# Altium PCB MAIN_BOARD_V3.PcbDoc (part 1 of 4) (continued)
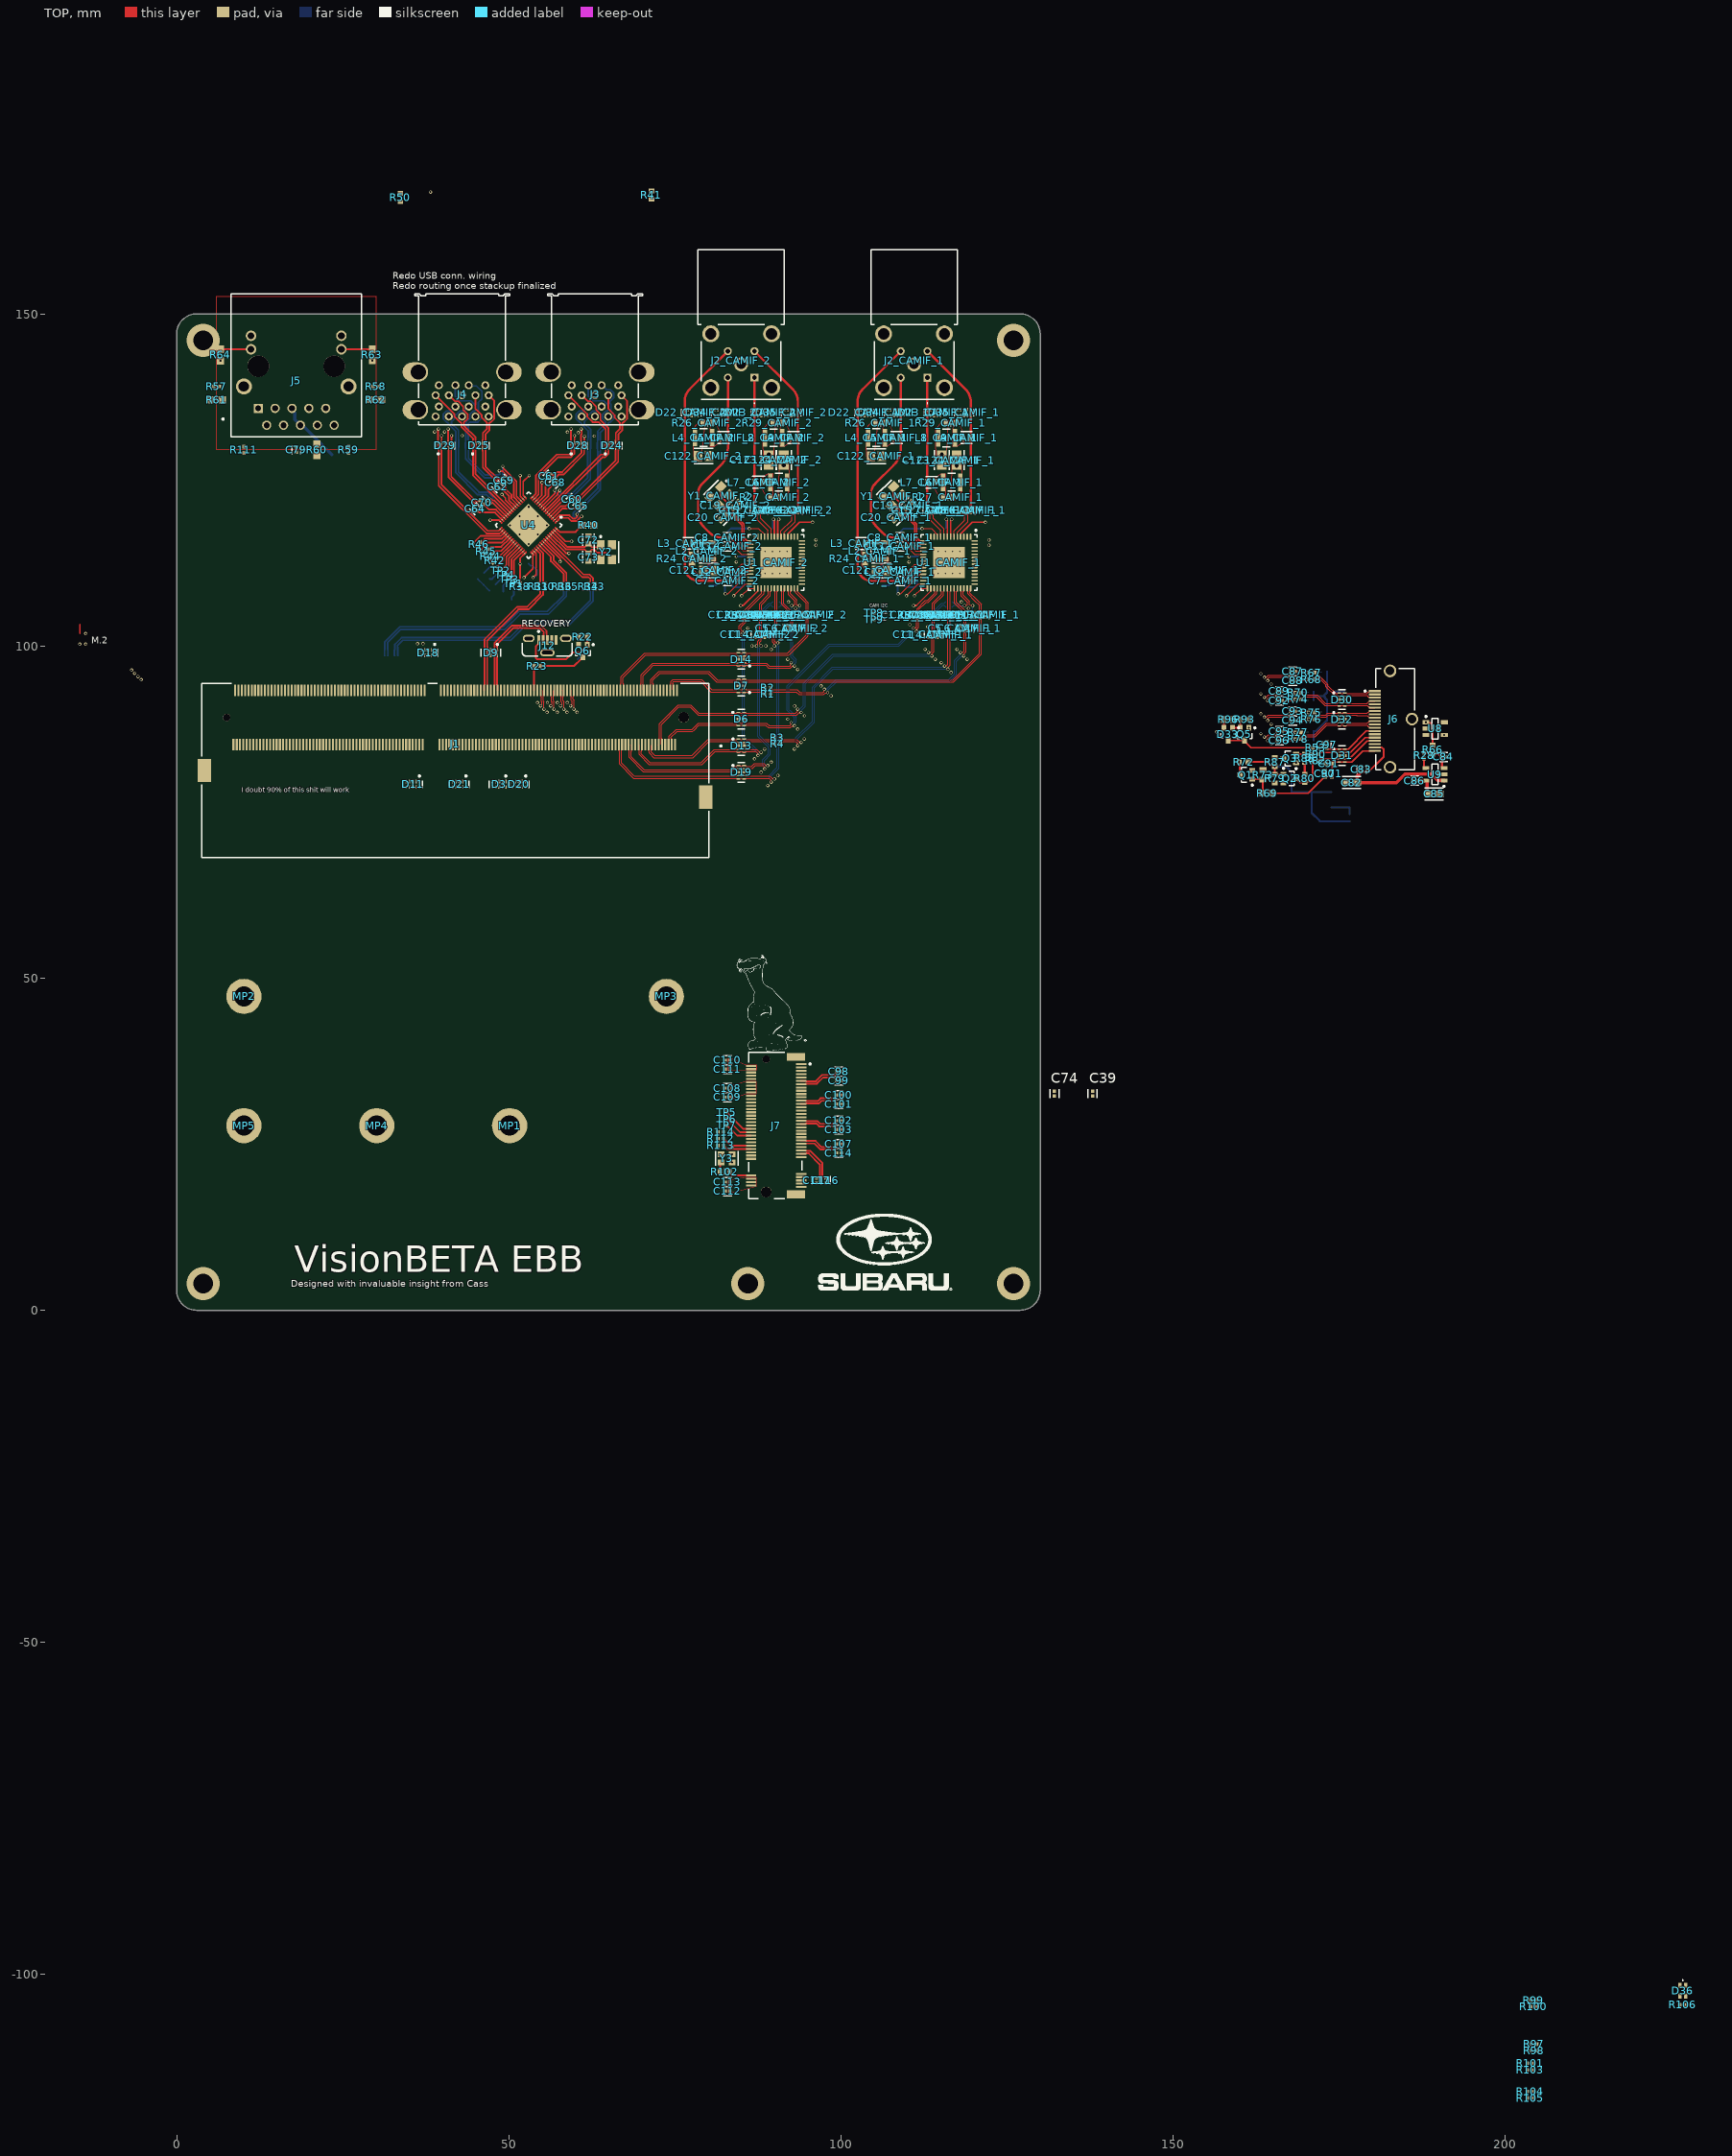
[diagram p0: TOP view]
## Components (designator, comment, footprint, x,y, rotation, side; value= is the part's Value field where it differs from the comment) (continued)
C17_CAMIF_2 "C1005X7R1H104K050BB" FP-C1005-050-0_05-IPC_C 88.326,120.447 r90 top (schematic designator C17)
C18_CAMIF_1 "C1005X7R1H104K050BB" FP-C1005-050-0_05-IPC_C 118.201,120.439 r90 top (schematic designator C18)
C18_CAMIF_2 "C1005X7R1H104K050BB" FP-C1005-050-0_05-IPC_C 92.177,120.447 r90 top (schematic designator C18)
C19_CAMIF_1 "C0603C300J5GACTU" FP-C0603C-CF-MFG 110.194,121.192 r45 top value="30 pF" (schematic designator C19)
C19_CAMIF_2 "C0603C300J5GACTU" FP-C0603C-CF-MFG 84.17,121.2 r45 top value="30 pF" (schematic designator C19)
C20_CAMIF_1 "C0603C300J5GACTU" FP-C0603C-CF-MFG 108.344,119.367 r225 top value="30 pF" (schematic designator C20)
C20_CAMIF_2 "C0603C300J5GACTU" FP-C0603C-CF-MFG 82.32,119.375 r225 top value="30 pF" (schematic designator C20)
C21_CAMIF_1 "CL05A106MP5NUNC" FP-CL05A106MP5NUNC-MFG 115.394,117.767 r180 bottom value=10uF (schematic designator C21)
C21_CAMIF_2 "CL05A106MP5NUNC" FP-CL05A106MP5NUNC-MFG 89.37,117.775 r180 bottom value=10uF (schematic designator C21)
C22_CAMIF_1 "C1005X7R1H104K050BB" FP-C1005-050-0_05-IPC_C 115.394,119.067 r0 bottom (schematic designator C22)
C22_CAMIF_2 "C1005X7R1H104K050BB" FP-C1005-050-0_05-IPC_C 89.37,119.075 r0 bottom (schematic designator C22)
C23_CAMIF_1 "CL05A106MP5NUNC" FP-CL05A106MP5NUNC-MFG 111.569,113.967 r90 bottom value=10uF (schematic designator C23)
C23_CAMIF_2 "CL05A106MP5NUNC" FP-CL05A106MP5NUNC-MFG 85.545,113.975 r90 bottom value=10uF (schematic designator C23)
C24_CAMIF_1 "C1005X7R1H104K050BB" FP-C1005-050-0_05-IPC_C 110.269,113.967 r270 bottom (schematic designator C24)
C24_CAMIF_2 "C1005X7R1H104K050BB" FP-C1005-050-0_05-IPC_C 84.245,113.975 r270 bottom (schematic designator C24)
C25_CAMIF_1 "CL05A106MP5NUNC" FP-CL05A106MP5NUNC-MFG 120.969,114.667 r270 bottom value=10uF (schematic designator C25)
C25_CAMIF_2 "CL05A106MP5NUNC" FP-CL05A106MP5NUNC-MFG 94.945,114.675 r270 bottom value=10uF (schematic designator C25)
C26_CAMIF_1 "C1005X7R1H104K050BB" FP-C1005-050-0_05-IPC_C 122.269,114.667 r90 bottom (schematic designator C26)
C26_CAMIF_2 "C1005X7R1H104K050BB" FP-C1005-050-0_05-IPC_C 96.245,114.675 r90 bottom (schematic designator C26)
C27_CAMIF_1 "CL05A106MP5NUNC" FP-CL05A106MP5NUNC-MFG 120.969,116.442 r90 bottom value=10uF (schematic designator C27)
C27_CAMIF_2 "CL05A106MP5NUNC" FP-CL05A106MP5NUNC-MFG 94.945,116.45 r90 bottom value=10uF (schematic designator C27)
C28_CAMIF_1 "C1005X7R1H104K050BB" FP-C1005-050-0_05-IPC_C 122.269,116.442 r270 bottom (schematic designator C28)
C28_CAMIF_2 "C1005X7R1H104K050BB" FP-C1005-050-0_05-IPC_C 96.245,116.45 r270 bottom (schematic designator C28)
C29_CAMIF_1 "CL05A106MP5NUNC" FP-CL05A106MP5NUNC-MFG 117.219,117.767 r0 bottom value=10uF (schematic designator C29)
C29_CAMIF_2 "CL05A106MP5NUNC" FP-CL05A106MP5NUNC-MFG 91.195,117.775 r0 bottom value=10uF (schematic designator C29)
C30_CAMIF_1 "C0402C103M5RACTU" FP-C0402-BB-MFG 117.219,119.067 r180 bottom value="10,000 pF" (schematic designator C30)
C30_CAMIF_2 "C0402C103M5RACTU" FP-C0402-BB-MFG 91.195,119.075 r180 bottom value="10,000 pF" (schematic designator C30)
C31_CAMIF_1 "CL05A106MP5NUNC" FP-CL05A106MP5NUNC-MFG 111.544,112.167 r270 bottom value=10uF (schematic designator C31)
C31_CAMIF_2 "CL05A106MP5NUNC" FP-CL05A106MP5NUNC-MFG 85.52,112.175 r270 bottom value=10uF (schematic designator C31)
C32_CAMIF_1 "C0402C103M5RACTU" FP-C0402-BB-MFG 110.269,112.167 r90 bottom value="10,000 pF" (schematic designator C32)
C32_CAMIF_2 "C0402C103M5RACTU" FP-C0402-BB-MFG 84.245,112.175 r90 bottom value="10,000 pF" (schematic designator C32)
C33_CAMIF_1 "CL05A106MP5NUNC" FP-CL05A106MP5NUNC-MFG 111.544,110.217 r90 bottom value=10uF (schematic designator C33)
C33_CAMIF_2 "CL05A106MP5NUNC" FP-CL05A106MP5NUNC-MFG 85.52,110.225 r90 bottom value=10uF (schematic designator C33)
C34_CAMIF_1 "C0402C103M5RACTU" FP-C0402-BB-MFG 110.269,110.217 r270 bottom value="10,000 pF" (schematic designator C34)
C34_CAMIF_2 "C0402C103M5RACTU" FP-C0402-BB-MFG 84.245,110.225 r270 bottom value="10,000 pF" (schematic designator C34)
C35_CAMIF_1 "CL05A106MP5NUNC" FP-CL05A106MP5NUNC-MFG 112.194,105.68 r270 bottom value=10uF (schematic designator C35)
C35_CAMIF_2 "CL05A106MP5NUNC" FP-CL05A106MP5NUNC-MFG 86.17,105.688 r270 bottom value=10uF (schematic designator C35)
C36_CAMIF_1 "C0402C103M5RACTU" FP-C0402-BB-MFG 110.944,105.667 r90 bottom value="10,000 pF" (schematic designator C36)
C36_CAMIF_2 "C0402C103M5RACTU" FP-C0402-BB-MFG 84.92,105.675 r90 bottom value="10,000 pF" (schematic designator C36)
C37 "GRM188R60J106ME47D" FP-GRM188-0_1-e0_2_0_55-IPC_A 165.283,81.074 r270 bottom
C38 "C1005X7R1H104K050BB" FP-C1005-050-0_05-IPC_C 176.575,76.092 r270 bottom
C39 "C1005X7R1H104K050BB" FP-C1005-050-0_05-IPC_C 137.891,32.624 r90 top
C40_CAMIF_1 "GRM188R60J106ME47D" FP-GRM188-0_1-e0_2_0_55-IPC_A 120.194,166.092 r0 bottom (schematic designator C40)
C40_CAMIF_2 "GRM188R60J106ME47D" FP-GRM188-0_1-e0_2_0_55-IPC_A 90.5,162.5 r0 bottom (schematic designator C40)
C41_CAMIF_1 "GRM188R60J106ME47D" FP-GRM188-0_1-e0_2_0_55-IPC_A 122.844,174.067 r180 bottom (schematic designator C41)
C41_CAMIF_2 "GRM188R60J106ME47D" FP-GRM188-0_1-e0_2_0_55-IPC_A 94.82,170.075 r180 bottom (schematic designator C41)
C42_CAMIF_1 "C1005X7R1H104K050BB" FP-C1005-050-0_05-IPC_C 120.169,175.067 r90 bottom (schematic designator C42)
C42_CAMIF_2 "C1005X7R1H104K050BB" FP-C1005-050-0_05-IPC_C 92.145,171.075 r90 bottom (schematic designator C42)
C43_CAMIF_1 "C1005X7R1H104K050BB" FP-C1005-050-0_05-IPC_C 114.994,182.567 r0 bottom (schematic designator C43)
C43_CAMIF_2 "C1005X7R1H104K050BB" FP-C1005-050-0_05-IPC_C 86.97,178.575 r0 bottom (schematic designator C43)
C44 "C1005X7R1H104K050BB" FP-C1005-050-0_05-IPC_C 57.966,121.518 r45 bottom
C45 "C1005X7R1H104K050BB" FP-C1005-050-0_05-IPC_C 54.758,124.343 r45 bottom
C46 "C1005X7R1H104K050BB" FP-C1005-050-0_05-IPC_C 53.075,125.299 r90 bottom
C47 "C1005X7R1H104K050BB" FP-C1005-050-0_05-IPC_C 49.234,122.543 r135 bottom
C48 "C1005X7R1H104K050BB" FP-C1005-050-0_05-IPC_C 47.459,118.693 r135 bottom
C49 "T520B337M2R5ATE045" KEMT-520-B-2_M 63.025,166.702 r180 bottom
C50 "C1005X7R1H104K050BB" FP-C1005-050-0_05-IPC_C 45.975,114.693 r225 bottom
C51 "C1005X7R1H104K050BB" FP-C1005-050-0_05-IPC_C 52.3,110.677 r270 bottom
C52 "C1005X7R1H104K050BB" FP-C1005-050-0_05-IPC_C 65.375,164.202 r180 bottom
C53 "C1005X7R1H104K050BB" FP-C1005-050-0_05-IPC_C 63.3,164.202 r0 bottom
C54 "C1005X7R1H104K050BB" FP-C1005-050-0_05-IPC_C 57.466,112.961 r315 bottom
C55 "C1005X7R1H104K050BB" FP-C1005-050-0_05-IPC_C 51.725,125.299 r90 bottom
C56 "C1005X7R1H104K050BB" FP-C1005-050-0_05-IPC_C 44.926,115.752 r225 bottom
C57 "C1005X7R1H104K050BB" FP-C1005-050-0_05-IPC_C 53.65,110.677 r270 bottom
C58 "C1005X7R1H104K050BB" FP-C1005-050-0_05-IPC_C 59.18,116.011 r315 bottom
C59 "GRM188R60J106ME47D" FP-GRM188-0_1-e0_2_0_55-IPC_A 71.975,164.677 r270 bottom
C60 "C1005X7R1H104K050BB" FP-C1005-050-0_05-IPC_C 59.559,122.074 r45 top
C61 "C1005X7R1H104K050BB" FP-C1005-050-0_05-IPC_C 56.047,125.586 r45 top
C62 "C1005X7R1H104K050BB" FP-C1005-050-0_05-IPC_C 48.319,123.996 r135 top
C63 "T520B337M2R5ATE045" KEMT-520-B-2_M 44.85,166.302 r180 bottom
C64 "C1005X7R1H104K050BB" FP-C1005-050-0_05-IPC_C 44.978,120.661 r135 top
C65 "C1005X7R1H104K050BB" FP-C1005-050-0_05-IPC_C 60.509,121.124 r45 top
C66 "C1005X7R1H104K050BB" FP-C1005-050-0_05-IPC_C 47.2,163.802 r180 bottom
C67 "C1005X7R1H104K050BB" FP-C1005-050-0_05-IPC_C 45.15,163.802 r0 bottom
C68 "C1005X7R1H104K050BB" FP-C1005-050-0_05-IPC_C 56.997,124.636 r45 top
C69 "C1005X7R1H104K050BB" FP-C1005-050-0_05-IPC_C 49.269,124.946 r135 top
C70 "C1005X7R1H104K050BB" FP-C1005-050-0_05-IPC_C 45.928,121.611 r135 top
C71 "GRM188R60J106ME47D" FP-GRM188-0_1-e0_2_0_55-IPC_A 35.05,169.502 r90 bottom
C72 "C0603C300J5GACTU" FP-C0603C-CF-MFG 62,116 r90 top value="30 pF"
C73 "C0603C300J5GACTU" FP-C0603C-CF-MFG 62,113.4 r270 top value="30 pF"
C74 "C1005X7R1H104K050BB" FP-C1005-050-0_05-IPC_C 132.141,32.624 r90 top
C77 "GRM188R60J106ME47D" FP-GRM188-0_1-e0_2_0_55-IPC_A 28.77,166.067 r270 bottom
C78 "C1005X7R1H104K050BB" FP-C1005-050-0_05-IPC_C 21.867,162.85 r180 bottom
C79 "C1005X7R1H104K050BB" FP-C1005-050-0_05-IPC_C 18,129.542 r270 top
C80 "C1005X7R1H104K050BB" FP-C1005-050-0_05-IPC_C 23.35,128.45 r90 bottom
C81 "C1005X7R1H104K050BB" FP-C1005-050-0_05-IPC_C 29.45,142.608 r90 bottom
C82 "GRM188R60J106ME47D" FP-GRM188-0_1-e0_2_0_55-IPC_A 176.873,79.425 r180 top
C83 "C1005X7R1H104K050BB" FP-C1005-050-0_05-IPC_C 178.375,81.45 r270 top
C84 "C1005X7R1H104K050BB" FP-C1005-050-0_05-IPC_C 190.725,83.3 r180 top
C85 "GRM188R60J106ME47D" FP-GRM188-0_1-e0_2_0_55-IPC_A 189.295,77.725 r0 top
C86 "C1005X7R1H104K050BB" FP-C1005-050-0_05-IPC_C 186.4,79.725 r0 top
C87 "C1005X7R1H104K050BB" FP-C1005-050-0_05-IPC_C 168.033,96.179 r0 top
C88 "C1005X7R1H104K050BB" FP-C1005-050-0_05-IPC_C 168.033,94.779 r0 top
C89 "C1005X7R1H104K050BB" FP-C1005-050-0_05-IPC_C 166.033,93.179 r0 top
C90 "C0402C221K5RAC7867" CAPC1005X60X30NL05T10 172.85,80.825 r270 top
C91 "C0402C221K5RAC7867" CAPC1005X60X30NL05T10 173.425,82.325 r0 top
C92 "C1005X7R1H104K050BB" FP-C1005-050-0_05-IPC_C 166.033,91.779 r0 top
C93 "C1005X7R1H104K050BB" FP-C1005-050-0_05-IPC_C 168.033,90.179 r0 top
C94 "C1005X7R1H104K050BB" FP-C1005-050-0_05-IPC_C 168.033,88.779 r0 top
C95 "C1005X7R1H104K050BB" FP-C1005-050-0_05-IPC_C 166.033,87.179 r0 top
C96 "C1005X7R1H104K050BB" FP-C1005-050-0_05-IPC_C 166.033,85.779 r0 top
C97 "GRM1555C1H120GA01D" FP-GRM155-0_05-MFG 173.15,85.15 r90 top
C98 "C1005X7R1A224K050BB" FP-C1005-050-0_05-IPC_C 99.715,35.921 r0 top
C99 "C1005X7R1A224K050BB" FP-C1005-050-0_05-IPC_C 99.717,34.569 r0 top
C100 "C1005X7R1A224K050BB" FP-C1005-050-0_05-IPC_C 99.717,32.397 r0 top
C101 "C1005X7R1A224K050BB" FP-C1005-050-0_05-IPC_C 99.717,31.047 r0 top
C102 "C1005X7R1A224K050BB" FP-C1005-050-0_05-IPC_C 99.717,28.547 r0 top
C103 "C1005X7R1A224K050BB" FP-C1005-050-0_05-IPC_C 99.717,27.197 r0 top
C104 "GRM188R60J106ME47D" FP-GRM188-0_1-e0_2_0_55-IPC_A 84.097,36.297 r0 bottom
C105 "GRM188R60J106ME47D" FP-GRM188-0_1-e0_2_0_55-IPC_A 84.09,33.436 r0 bottom
C106 "GRM188R60J106ME47D" FP-GRM188-0_1-e0_2_0_55-IPC_A 84.093,19.292 r0 bottom
C107 "C1005X7R1A224K050BB" FP-C1005-050-0_05-IPC_C 99.717,25.043 r0 top
C108 "C1005X7R1H104K050BB" FP-C1005-050-0_05-IPC_C 82.922,33.436 r0 top
C109 "C1005X7R1H104K050BB" FP-C1005-050-0_05-IPC_C 82.913,32.086 r0 top
C110 "C1005X7R1H104K050BB" FP-C1005-050-0_05-IPC_C 82.925,37.647 r0 top
C111 "C1005X7R1H104K050BB" FP-C1005-050-0_05-IPC_C 82.928,36.297 r0 top
C112 "C1005X7R1H104K050BB" FP-C1005-050-0_05-IPC_C 82.925,17.942 r0 top
C113 "C1005X7R1H104K050BB" FP-C1005-050-0_05-IPC_C 82.925,19.292 r0 top
C114 "C1005X7R1A224K050BB" FP-C1005-050-0_05-IPC_C 99.717,23.693 r0 top
C115 "C1005X7R1H104K050BB" FP-C1005-050-0_05-IPC_C 83.979,22.254 r180 bottom
C116 "C1005X7R1A224K050BB" FP-C1005-050-0_05-IPC_C 97.7,19.533 r270 top
C117 "C1005X7R1A224K050BB" FP-C1005-050-0_05-IPC_C 96.35,19.533 r270 top
C118 "T520B337M2R5ATE045" KEMT-520-B-2_M 60.35,96.525 r270 bottom
C119 "C1005X7R1H104K050BB" FP-C1005-050-0_05-IPC_C 61.8,100.517 r270 bottom
C121_CAMIF_1 "GRM21BR61E226ME44L" FP-GRM21B-0_2-e0_2_0_7-IPC_B 106.094,111.392 r0 top (schematic designator C121)
C121_CAMIF_2 "GRM21BR61E226ME44L" FP-GRM21B-0_2-e0_2_0_7-IPC_B 80.07,111.4 r0 top (schematic designator C121)
C122_CAMIF_1 "GRM21BR61E226ME44L" FP-GRM21B-0_2-e0_2_0_7-IPC_B 105.344,128.592 r0 top (schematic designator C122)
C122_CAMIF_2 "GRM21BR61E226ME44L" FP-GRM21B-0_2-e0_2_0_7-IPC_B 79.32,128.6 r0 top (schematic designator C122)
C123_CAMIF_1 "GRM21BR61E226ME44L" FP-GRM21B-0_2-e0_2_0_7-IPC_B 115.167,127.991 r270 top (schematic designator C123)
C123_CAMIF_2 "GRM21BR61E226ME44L" FP-GRM21B-0_2-e0_2_0_7-IPC_B 89.143,127.998 r270 top (schematic designator C123)
C124_CAMIF_1 "GRM21BR61E226ME44L" FP-GRM21B-0_2-e0_2_0_7-IPC_B 117.417,127.991 r90 top (schematic designator C124)
C124_CAMIF_2 "GRM21BR61E226ME44L" FP-GRM21B-0_2-e0_2_0_7-IPC_B 91.393,127.998 r90 top (schematic designator C124)
C125 "C1005X7R1H104K050BB" FP-C1005-050-0_05-IPC_C 6.6,142.6 r90 bottom
D1 "ESD204DQAR or PUSB3AB4Z" FP-DQA0010A-MFG 51.7,87.85 r90 bottom value=0.55pF
D2 "ESD204DQAR or PUSB3AB4Z" FP-DQA0010A-MFG -6.165,72.1 r90 bottom value=0.55pF
D3 "ESD204DQAR or PUSB3AB4Z" FP-DQA0010A-MFG 48.55,79.183 r270 top value=0.55pF
D4 "ESD204DQAR or PUSB3AB4Z" FP-DQA0010A-MFG -9.415,72.1 r90 bottom value=0.55pF
D5 "ESD204DQAR or PUSB3AB4Z" FP-DQA0010A-MFG 117.775,-21.925 r270 bottom value=0.55pF
D6 "ESD204DQAR" FP-DQA0010A-MFG 85,89 r0 top value=0.55pF
D7 "ESD204DQAR" FP-DQA0010A-MFG 85,94 r180 top value=0.55pF
D8 "ESD204DQAR" FP-DQA0010A-MFG 58.65,85.154 r90 bottom value=0.55pF
D9 "ESD204DQAR or PUSB3AB4Z" FP-DQA0010A-MFG 47.3,99 r270 top value=0.55pF
D10 "ESD204DQAR or PUSB3AB4Z" FP-DQA0010A-MFG 36.8,93.35 r180 bottom value=0.55pF
D11 "ESD204DQAR or PUSB3AB4Z" FP-DQA0010A-MFG 35.55,79.183 r270 top value=0.55pF
D12 "ESD204DQAR or PUSB3AB4Z" FP-DQA0010A-MFG 120.775,-21.925 r90 bottom value=0.55pF
D13 "ESD204DQAR" FP-DQA0010A-MFG 85,85 r0 top value=0.55pF
D14 "ESD204DQAR" FP-DQA0010A-MFG 85,98 r180 top value=0.55pF
D15 "ESD204DQAR" FP-DQA0010A-MFG 55.7,85.154 r90 bottom value=0.55pF
D16 "ESD204DQAR or PUSB3AB4Z" FP-DQA0010A-MFG 32.3,99 r90 bottom value=0.55pF
D17 "ESD204DQAR or PUSB3AB4Z" FP-DQA0010A-MFG 34.8,85.154 r90 bottom value=0.55pF
D18 "ESD204DQAR or PUSB3AB4Z" FP-DQA0010A-MFG 37.846,99 r270 top value=0.55pF
D19 "ESD204DQAR" FP-DQA0010A-MFG 85,81 r0 top value=0.55pF
D20 "ESD204DQAR" FP-DQA0010A-MFG 51.55,79.183 r270 top value=0.55pF
D21 "ESD204DQAR or PUSB3AB4Z" FP-DQA0010A-MFG 42.55,79.183 r270 top value=0.55pF
D22_CAMIF_1 "ESD204DQAR" FP-DQA0010A-MFG 103.519,135.142 r90 top value=0.55pF (schematic designator D22)
D22_CAMIF_2 "ESD204DQAR" FP-DQA0010A-MFG 77.495,135.15 r90 top value=0.55pF (schematic designator D22)
D23_CAMIF_1 "ESD204DQAR" FP-DQA0010A-MFG 114.008,135.142 r90 top value=0.55pF (schematic designator D23)
D23_CAMIF_2 "ESD204DQAR" FP-DQA0010A-MFG 87.983,135.15 r90 top value=0.55pF (schematic designator D23)
D24 "ESD204DQAR or PUSB3AB4Z" FP-DQA0010A-MFG 65.55,130.177 r90 top value=0.55pF
D25 "ESD204DQAR or PUSB3AB4Z" FP-DQA0010A-MFG 45.55,130.177 r90 top value=0.55pF
D26 "ESD204DQAR or PUSB3AB4Z" FP-DQA0010A-MFG 62.825,130.177 r90 bottom value=0.55pF
D27 "ESD204DQAR or PUSB3AB4Z" FP-DQA0010A-MFG 42.975,130.177 r90 bottom value=0.55pF
D28 "ESD204DQAR or PUSB3AB4Z" FP-DQA0010A-MFG 60.4,130.177 r90 top value=0.55pF
D29 "ESD204DQAR or PUSB3AB4Z" FP-DQA0010A-MFG 40.4,130.177 r90 top value=0.55pF
D30 "ESD204DQAR or PUSB3AB4Z" FP-DQA0010A-MFG 175.445,91.95 r0 top value=0.55pF
D31 "ESD204DQAR or PUSB3AB4Z" FP-DQA0010A-MFG 175.445,83.5 r0 top value=0.55pF
D32 "ESD204DQAR or PUSB3AB4Z" FP-DQA0010A-MFG 175.445,88.975 r0 top value=0.55pF
D33 "BAT54CWT1G" ONSC-SOT-323-3-419-04_V 158.296,86.729 r270 top
D34_CAMIF_1 "ESD204DQAR" FP-DQA0010A-MFG 108.008,135.15 r90 top value=0.55pF (schematic designator D34)
D34_CAMIF_2 "ESD204DQAR" FP-DQA0010A-MFG 81.983,135.158 r90 top value=0.55pF (schematic designator D34)
D35_CAMIF_1 "ESD204DQAR" FP-DQA0010A-MFG 118.544,135.142 r90 top value=0.55pF (schematic designator D35)
D35_CAMIF_2 "ESD204DQAR" FP-DQA0010A-MFG 92.52,135.15 r90 top value=0.55pF (schematic designator D35)
D36 "150066RG54050" WL-SBCD_0606 226.725,-102.433 r0 top
FB1 "BLM15PX601SN1D" FP-BLM15-0_05-MFG 172.788,96.1 r180 bottom
FB2 "BLM15PX601SN1D" FP-BLM15-0_05-MFG 172.788,94.85 r180 bottom
FB3 "BLM15PX601SN1D" FP-BLM15-0_05-MFG 170.788,93.1 r180 bottom
FB4 "BLM15PX601SN1D" FP-BLM15-0_05-MFG 170.788,91.85 r180 bottom
FB5 "BLM15PX601SN1D" FP-BLM15-0_05-MFG 172.788,90.1 r180 bottom
FB6 "BLM15PX601SN1D" FP-BLM15-0_05-MFG 172.788,88.85 r180 bottom
FB7 "BLM15PX601SN1D" FP-BLM15-0_05-MFG 170.788,87.1 r180 bottom
FB8 "BLM15PX601SN1D" FP-BLM15-0_05-MFG 170.788,85.85 r180 bottom
J1 "2309413-1" FP-2309413-1-MFG 41.925,81.25 r0 top locked
J2_CAMIF_1 "FM4-NZRP-PCB-1" FM4-NZRP-PCB-1-Footprint-1 111.008,142.392 r90 top (schematic designator J2)
J2_CAMIF_2 "FM4-NZRP-PCB-1" FM4-NZRP-PCB-1-Footprint-1 84.983,142.4 r90 top (schematic designator J2)
J3 "692141030100" 692141030100 62.975,143.177 r180 top
J4 "692141030100" 692141030100 42.975,143.177 r180 top
J5 "ARJM11C7-502-AB-ER2-T" FP-ARJM11C7-502-AB-ER2-T-MFG 18,142.275 r180 top
J6 "47659-1102" FP-47659-1102-MFG 183.45,89 r90 top
J7 "1-2199230-6" FP-1-2199230-6-MFG 90.125,27.797 r270 top
J12 "105133-0001" MOLX-105133-0001_V 55.8,100.075 r0 top
L2_CAMIF_1 "ADL32VHC-220M" FP-1210POC-MFG 105.844,114.317 r90 top value=22uH (schematic designator L2)
L2_CAMIF_2 "ADL32VHC-220M" FP-1210POC-MFG 79.82,114.325 r90 top value=22uH (schematic designator L2)
L3_CAMIF_1 "PFL1609-561MEW" FP-PFL1609-MFG 103.154,115.442 r180 top value=0.56uH (schematic designator L3)
L3_CAMIF_2 "PFL1609-561MEW" FP-PFL1609-MFG 77.13,115.45 r180 top value=0.56uH (schematic designator L3)
L4_CAMIF_1 "ADL32VHC-220M" FP-1210POC-MFG 105.348,131.367 r0 top value=22uH (schematic designator L4)
L4_CAMIF_2 "ADL32VHC-220M" FP-1210POC-MFG 79.323,131.375 r0 top value=22uH (schematic designator L4)
L5_CAMIF_1 "PFL1609-561MEW" FP-PFL1609-MFG 108.373,131.367 r0 top value=0.56uH (schematic designator L5)
L5_CAMIF_2 "PFL1609-561MEW" FP-PFL1609-MFG 82.348,131.375 r0 top value=0.56uH (schematic designator L5)
L6_CAMIF_1 "ADL32VHC-220M" FP-1210POC-MFG 116.668,124.642 r180 top value=22uH (schematic designator L6)
L6_CAMIF_2 "ADL32VHC-220M" FP-1210POC-MFG 90.643,124.65 r180 top value=22uH (schematic designator L6)
L7_CAMIF_1 "PFL1609-561MEW" FP-PFL1609-MFG 113.643,124.642 r180 top value=0.56uH (schematic designator L7)
L7_CAMIF_2 "PFL1609-561MEW" FP-PFL1609-MFG 87.618,124.65 r180 top value=0.56uH (schematic designator L7)
L8_CAMIF_1 "ADL32VHC-220M" FP-1210POC-MFG 115.894,131.342 r0 top value=22uH (schematic designator L8)
L8_CAMIF_2 "ADL32VHC-220M" FP-1210POC-MFG 89.87,131.35 r0 top value=22uH (schematic designator L8)
L9_CAMIF_1 "PFL1609-561MEW" FP-PFL1609-MFG 118.909,131.367 r0 top value=0.56uH (schematic designator L9)
L9_CAMIF_2 "PFL1609-561MEW" FP-PFL1609-MFG 92.885,131.375 r0 top value=0.56uH (schematic designator L9)
MP1 "9774025243R" 9774025243 50.125,27.797 r180 top
MP2 "9774025243R" 9774025243 10.125,47.25 r180 top
MP3 "9774025243R" 9774025243 73.725,47.25 r180 top
MP4 "9774025243R" 9774025243 30.125,27.797 r180 top
MP5 "9774025243R" 9774025243 10.125,27.797 r180 top
Q1 "BSS138W-7-F" DIOD-SOT323-3_V 160.975,80.6 r180 top
Q2 "BSS138W-7-F" DIOD-SOT323-3_V 167.575,80.05 r0 top
Q3 "BSS138W-7-F" DIOD-SOT323-3_V 167.575,83.075 r180 top
Q4 "BSS138W-7-F" DIOD-SOT323-3_V 173.512,92.475 r180 bottom
Q5 "BSS138W-7-F" DIOD-SOT323-3_V 160.746,86.729 r270 top
Q6 "BSS138W-7-F" DIOD-SOT323-3_V 61.15,99.25 r270 top
R1 "0402 JUMPER 0 OHM" RESC1005X40X25NL05T05 89,92.775 r0 top
R2 "0402 JUMPER 0 OHM" RESC1005X40X25NL05T05 89,93.728 r0 top
R3 "0402 JUMPER 0 OHM" RESC1005X40X25NL05T05 90.45,86.235 r0 top
R4 "0402 JUMPER 0 OHM" RESC1005X40X25NL05T05 90.45,85.283 r0 top
R5_CAMIF_1 "0402 JUMPER 0 OHM" RESC1005X40X25NL05T05 113.444,104.617 r270 top (schematic designator R5)
R5_CAMIF_2 "0402 JUMPER 0 OHM" RESC1005X40X25NL05T05 87.42,104.625 r270 top (schematic designator R5)
R6_CAMIF_1 "0402 JUMPER 0 OHM" RESC1005X40X25NL05T05 116.269,106.717 r180 bottom (schematic designator R6)
R6_CAMIF_2 "0402 JUMPER 0 OHM" RESC1005X40X25NL05T05 90.245,106.725 r180 bottom (schematic designator R6)
R7_CAMIF_1 "0402 JUMPER 0 OHM" RESC1005X40X25NL05T05 114.394,104.617 r270 top (schematic designator R7)
R7_CAMIF_2 "0402 JUMPER 0 OHM" RESC1005X40X25NL05T05 88.37,104.625 r270 top (schematic designator R7)
R8_CAMIF_1 "0402 JUMPER 0 OHM" RESC1005X40X25NL05T05 116.269,105.825 r180 bottom (schematic designator R8)
R8_CAMIF_2 "0402 JUMPER 0 OHM" RESC1005X40X25NL05T05 90.245,105.833 r180 bottom (schematic designator R8)
R9_CAMIF_1 "ERJ3EKF1002V" RESC1609X55X30LL15T15 106.219,109.717 r270 bottom (schematic designator R9)
R9_CAMIF_2 "ERJ3EKF1002V" RESC1609X55X30LL15T15 80.195,109.725 r270 bottom (schematic designator R9)
R10_CAMIF_1 "ERJ-3EKF49R9V" RESC1608X55X30ML15T15 108.669,111.842 r270 bottom (schematic designator R10)
R10_CAMIF_2 "ERJ-3EKF49R9V" RESC1608X55X30ML15T15 82.645,111.85 r270 bottom (schematic designator R10)
R11_CAMIF_1 "ERJ-3EKF49R9V" RESC1608X55X30ML15T15 108.669,114.342 r90 bottom (schematic designator R11)
R11_CAMIF_2 "ERJ-3EKF49R9V" RESC1608X55X30ML15T15 82.645,114.35 r90 bottom (schematic designator R11)
R12_CAMIF_1 "ERJ-3EKF8062V" RESC1608X55X30LL15T15 107.919,109.167 r180 bottom (schematic designator R12)
R12_CAMIF_2 "ERJ-3EKF8062V" RESC1608X55X30LL15T15 81.895,109.175 r180 bottom (schematic designator R12)
R13_CAMIF_1 "ERJ-3EKF8062V" RESC1608X55X30LL15T15 122.419,119.842 r0 bottom (schematic designator R13)
R13_CAMIF_2 "ERJ-3EKF8062V" RESC1608X55X30LL15T15 96.395,119.85 r0 bottom (schematic designator R13)
R14_CAMIF_1 "0402 JUMPER 0 OHM" RESC1005X40X25NL05T05 105.169,109.467 r270 bottom (schematic designator R14)
R14_CAMIF_2 "0402 JUMPER 0 OHM" RESC1005X40X25NL05T05 79.145,109.475 r270 bottom (schematic designator R14)
R15_CAMIF_1 "ERJ-3EKF2052V" RESC1608X55X30NL15T15 107.919,107.817 r0 bottom (schematic designator R15)
R15_CAMIF_2 "ERJ-3EKF2052V" RESC1608X55X30NL15T15 81.895,107.825 r0 bottom (schematic designator R15)
R16_CAMIF_1 "ERJ-3EKF2052V" RESC1608X55X30NL15T15 122.419,118.617 r180 bottom (schematic designator R16)
R16_CAMIF_2 "ERJ-3EKF2052V" RESC1608X55X30NL15T15 96.395,118.625 r180 bottom (schematic designator R16)
R17_CAMIF_1 "ERJ3EKF1002V" RESC1609X55X30LL15T15 109.869,108.217 r90 bottom (schematic designator R17)
R17_CAMIF_2 "ERJ3EKF1002V" RESC1609X55X30LL15T15 83.845,108.225 r90 bottom (schematic designator R17)
R18_CAMIF_1 "ERJ-3EKF49R9V" RESC1608X55X30ML15T15 115.019,120.667 r180 bottom (schematic designator R18)
R18_CAMIF_2 "ERJ-3EKF49R9V" RESC1608X55X30ML15T15 88.995,120.675 r180 bottom (schematic designator R18)
R19_CAMIF_1 "ERJ-3EKF49R9V" RESC1608X55X30ML15T15 117.519,120.667 r0 bottom (schematic designator R19)
R19_CAMIF_2 "ERJ-3EKF49R9V" RESC1608X55X30ML15T15 91.495,120.675 r0 bottom (schematic designator R19)
R20_CAMIF_1 "ERJ-3EKF4020V" RESC1608X55X30LL15T15 110.269,115.742 r90 bottom (schematic designator R20)
R20_CAMIF_2 "ERJ-3EKF4020V" RESC1608X55X30LL15T15 84.245,115.75 r90 bottom (schematic designator R20)
R21_CAMIF_1 "ERJ3EKF1002V" RESC1609X55X30LL15T15 111.07,108.217 r90 bottom (schematic designator R21)
R21_CAMIF_2 "ERJ3EKF1002V" RESC1609X55X30LL15T15 85.046,108.225 r90 bottom (schematic designator R21)
R22 "ERJ3EKF1002V" RESC1609X55X30LL15T15 61.15,101.4 r0 top
R23 "0402 JUMPER 0 OHM" RESC1005X40X25NL05T05 54.25,97 r180 top
R24_CAMIF_1 "ERJ-3EKF5101V" FP-ERJ3EK-MFG 103.619,113.142 r90 top (schematic designator R24)
R24_CAMIF_2 "ERJ-3EKF5101V" FP-ERJ3EK-MFG 77.595,113.15 r90 top (schematic designator R24)
R25 "ERJ-3EKF1200V" RESC1609X55X30ML15T15 227.525,-100.786 r270 bottom
R26_CAMIF_1 "ERJ-3EKF5101V" FP-ERJ3EK-MFG 105.943,133.579 r0 top (schematic designator R26)
R26_CAMIF_2 "ERJ-3EKF5101V" FP-ERJ3EK-MFG 79.918,133.586 r0 top (schematic designator R26)
R27_CAMIF_1 "ERJ-3EKF5101V" FP-ERJ3EK-MFG 116.118,122.417 r180 top (schematic designator R27)
R27_CAMIF_2 "ERJ-3EKF5101V" FP-ERJ3EK-MFG 90.093,122.425 r180 top (schematic designator R27)
R28 "0402 JUMPER 0 OHM" RESC1005X40X25NL05T05 187.775,83.5 r270 top
R29_CAMIF_1 "ERJ-3EKF5101V" FP-ERJ3EK-MFG 116.494,133.567 r0 top (schematic designator R29)
R29_CAMIF_2 "ERJ-3EKF5101V" FP-ERJ3EK-MFG 90.47,133.575 r0 top (schematic designator R29)
R30 "0402 JUMPER 0 OHM" RESC1005X40X25NL05T05 55.425,108.977 r90 top
R31 "0402 JUMPER 0 OHM" RESC1005X40X25NL05T05 54.475,108.977 r90 top
R32 "ERJ3EKF1002V" RESC1609X55X30LL15T15 45.79,110.542 r225 bottom
R33 "0402 JUMPER 0 OHM" RESC1005X40X25NL05T05 62.95,108.977 r90 top
R34 "0402 JUMPER 0 OHM" RESC1005X40X25NL05T05 62,108.977 r90 top
R35 "0402 JUMPER 0 OHM" RESC1005X40X25NL05T05 58.95,108.977 r90 top
R36 "0402 JUMPER 0 OHM" RESC1005X40X25NL05T05 58,108.977 r90 top
R37 "ERJ3EKF1002V" RESC1609X55X30LL15T15 52.35,112.377 r0 bottom
R38 "0402 JUMPER 0 OHM" RESC1005X40X25NL05T05 51.7,108.977 r270 top
R39 "ERJ3EKF1002V" RESC1609X55X30LL15T15 58.59,114.411 r315 bottom
R40 "ERJ-3EKF1202V" RESC1609X55X30ML15T15 61.975,118.177 r0 top
R41 "ERJ-3EKF1001V" RESC1608X55X30LL15T15 71.468,167.902 r90 top
R42 "0402 JUMPER 0 OHM" RESC1005X40X25NL05T05 47.929,112.864 r225 top
R43 "ERJ3EKF1002V" RESC1609X55X30LL15T15 71.475,167.877 r90 bottom
R44 "0402 JUMPER 0 OHM" RESC1005X40X25NL05T05 47.261,113.546 r225 top
R45 "0402 JUMPER 0 OHM" RESC1005X40X25NL05T05 46.586,114.221 r225 top
R46 "0402 JUMPER 0 OHM" RESC1005X40X25NL05T05 45.518,115.286 r225 top
R47 "ERJ-3EKF2003V" FP-ERJ3EK-IPC_B 49.915,106.417 r45 bottom
R48 "ERJ3EKF1002V" RESC1609X55X30LL15T15 46.665,109.667 r225 bottom
R49 "ERJ-3EKF2003V" FP-ERJ3EK-IPC_B 48.665,107.667 r225 bottom
R50 "ERJ-3EKF1001V" RESC1608X55X30LL15T15 33.675,167.502 r90 top
R51 "ERJ3EKF1002V" RESC1609X55X30LL15T15 47.54,108.792 r225 bottom
R52 "ERJ3EKF1002V" RESC1609X55X30LL15T15 36.8,168.652 r270 bottom
R53 "0402 JUMPER 0 OHM" RESC1005X40X25NL05T05 171.475,84.675 r0 top
R54 "0402 JUMPER 0 OHM" RESC1005X40X25NL05T05 177.025,73.625 r180 bottom
R55 "0402 JUMPER 0 OHM" RESC1005X40X25NL05T05 177.025,74.725 r180 bottom
R57 "0402 JUMPER 0 OHM" RESC1005X40X25NL05T05 6,139.067 r0 top
R58 "0402 JUMPER 0 OHM" RESC1005X40X25NL05T05 30,139.075 r180 top
R59 "0402 JUMPER 0 OHM" RESC1005X40X25NL05T05 25.875,129.542 r90 top
R60 "0603 JUMPER" RESC1609X55X30ML15T15 21.125,129.542 r90 top
R61 "0603 JUMPER" RESC1609X55X30ML15T15 6,137.067 r0 top
R62 "0603 JUMPER" RESC1609X55X30ML15T15 30,137.075 r180 top
R63 "ERJ-3EKF1200V" RESC1609X55X30ML15T15 29.45,143.825 r270 top
R64 "ERJ-3EKF1200V" RESC1609X55X30ML15T15 6.6,143.817 r270 top
R65 "ERJ-3EKF1003V" RESC1608X55X30ML15T15 190.825,85.9 r90 bottom
R66 "ERJ3EKF1002V" RESC1609X55X30LL15T15 189.095,84.4 r90 top
R67 "0402 JUMPER 0 OHM" RESC1005X40X25NL05T05 170.85,95.979 r0 top
R68 "0402 JUMPER 0 OHM" RESC1005X40X25NL05T05 170.85,94.979 r0 top
R69 "ERJ-3EKF1003V" RESC1608X55X30ML15T15 164.175,77.85 r0 top
R70 "0402 JUMPER 0 OHM" RESC1005X40X25NL05T05 168.85,92.979 r0 top
R71 "0402 JUMPER 0 OHM" RESC1005X40X25NL05T05 173.925,80.775 r90 top
R72 "ERJ3EKF1002V" RESC1609X55X30LL15T15 160.625,82.55 r0 top
R73 "ERJ-3EKF1003V" RESC1608X55X30ML15T15 163.525,80.6 r270 top
R74 "0402 JUMPER 0 OHM" RESC1005X40X25NL05T05 168.85,91.979 r0 top
R75 "0402 JUMPER 0 OHM" RESC1005X40X25NL05T05 170.85,89.979 r0 top
R76 "0402 JUMPER 0 OHM" RESC1005X40X25NL05T05 170.85,88.979 r0 top
R77 "0402 JUMPER 0 OHM" RESC1005X40X25NL05T05 168.85,86.979 r0 top
R78 "0402 JUMPER 0 OHM" RESC1005X40X25NL05T05 168.85,85.979 r0 top
R79 "ERJ3EKF1002V" RESC1609X55X30LL15T15 165.325,80.05 r90 top
R80 "ERJ3EKF2701V" RESC1608X55X30LL15T15 169.825,80.05 r90 top
R81 "ERJ-2RKF4990X" FP-ERJ2RK-MFG 170.913,96.1 r0 bottom
R82 "0402 JUMPER 0 OHM" RESC1005X40X25NL05T05 171.475,82.725 r0 top
R83 "ERJ-2RKF4990X" FP-ERJ2RK-MFG 170.913,94.85 r0 bottom
R84 "ERJ-2RKF4990X" FP-ERJ2RK-MFG 168.913,93.1 r0 bottom
R85 "ERJ-2RKF4990X" FP-ERJ2RK-MFG 168.913,91.85 r0 bottom
R86 "ERJ-2RKF4990X" FP-ERJ2RK-MFG 170.913,90.1 r0 bottom
R87 "ERJ3EKF1002V" RESC1609X55X30LL15T15 165.325,82.525 r270 top
R88 "ERJ3EKF2701V" RESC1608X55X30LL15T15 169.825,83.075 r270 top
R89 "ERJ-2RKF4990X" FP-ERJ2RK-MFG 170.913,88.85 r0 bottom
R90 "0402 JUMPER 0 OHM" RESC1005X40X25NL05T05 171.475,83.7 r0 top
R91 "ERJ-2RKF4990X" FP-ERJ2RK-MFG 168.913,87.1 r0 bottom
R92 "ERJ-2RKF4990X" FP-ERJ2RK-MFG 168.913,85.85 r0 bottom
R93 "ERJ3EKF5103V" RESC1608X55X30LL15T15 160.771,88.954 r180 top
R95 "ERJ3EKF1002V" RESC1609X55X30LL15T15 175.783,92.5 r90 bottom
R96 "ERJ-3EKF1003V" RESC1608X55X30ML15T15 158.321,88.954 r0 top
R97 "0402 JUMPER 0 OHM" RESC1005X40X25NL05T05 204.325,-110.483 r0 top
R98 "0402 JUMPER 0 OHM" RESC1005X40X25NL05T05 204.325,-111.483 r0 top
R99 "0402 JUMPER 0 OHM" RESC1005X40X25NL05T05 204.25,-103.858 r0 top
R100 "0402 JUMPER 0 OHM" RESC1005X40X25NL05T05 204.25,-104.858 r0 top